# Altium PCB JlinkSwitch.PcbDoc
Units mm, origin at the board's own origin, x right, y up, seen from the top; angles counter-clockwise.
Board outline 37 x 26 mm, 4 copper layers (Top Layer, GND, PWR, Bottom Layer), stack 1.587 mm thick; 64 components, 61 nets, 304 pads, 156 vias.
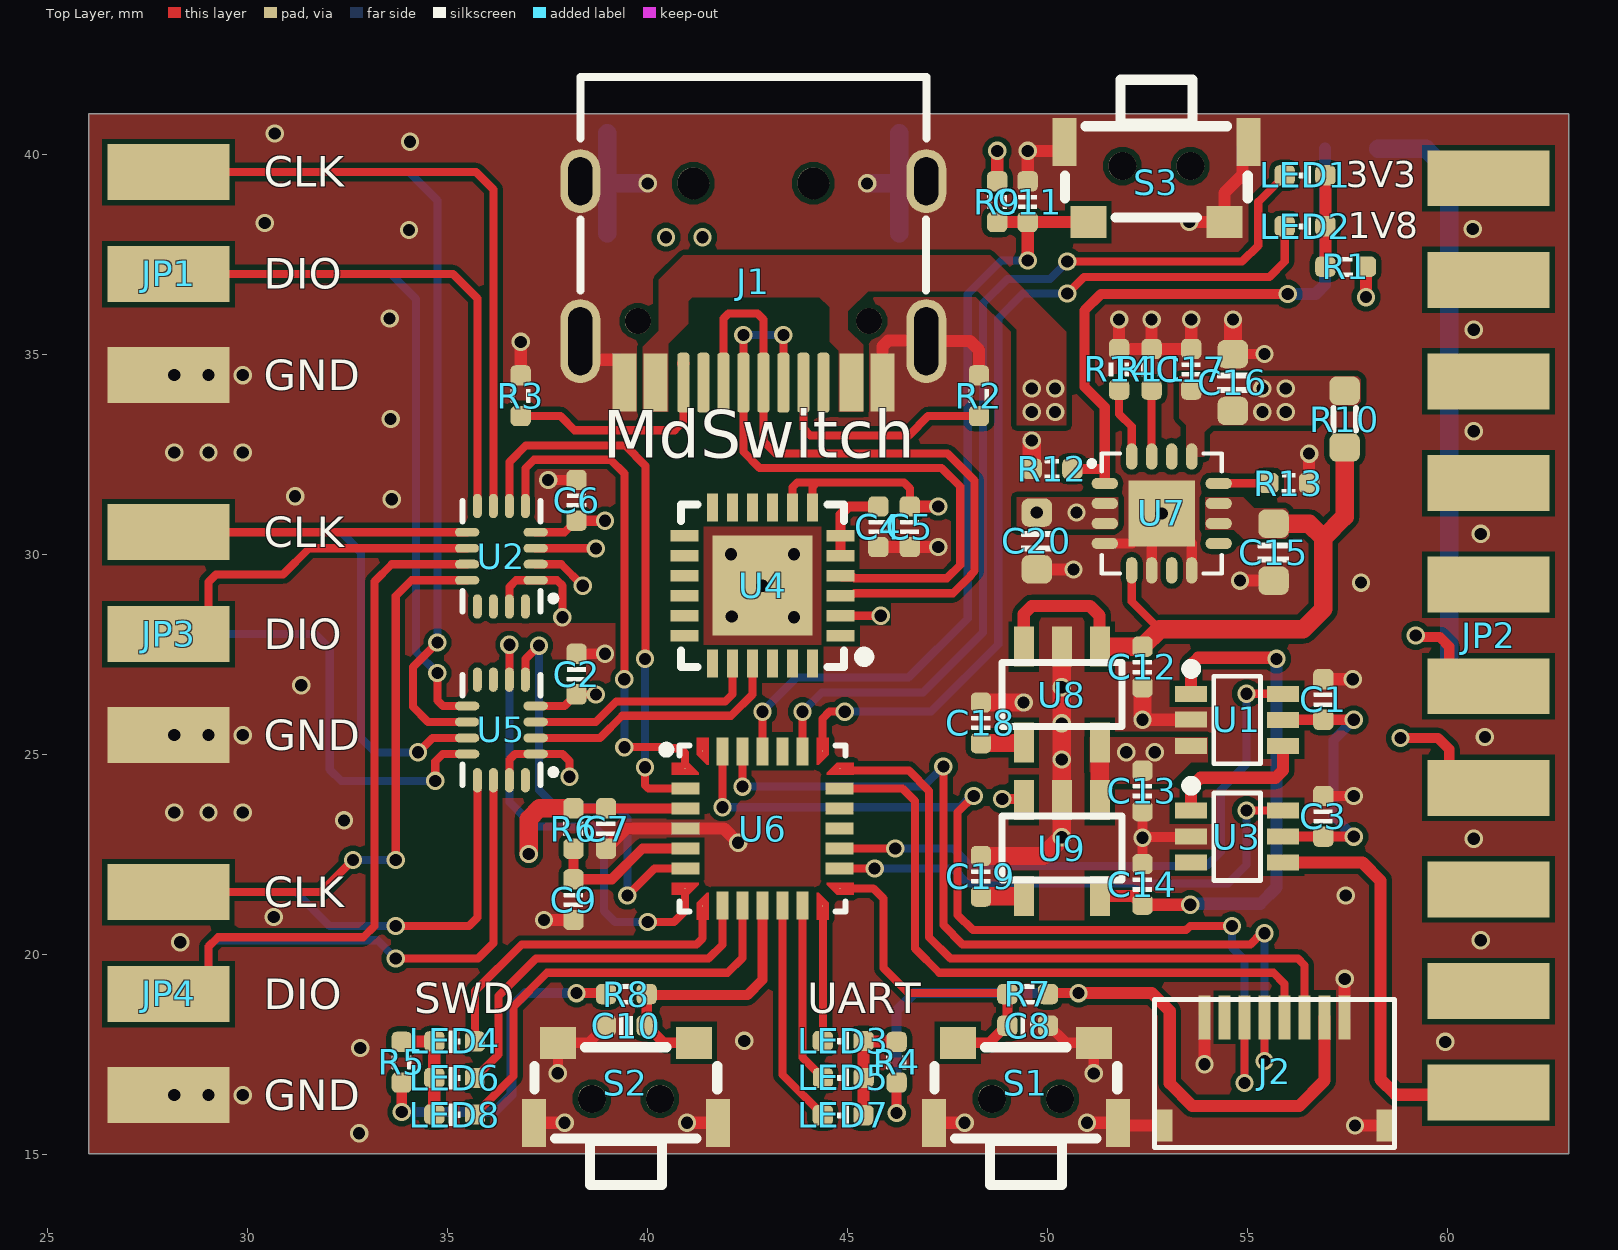
[diagram p0: Top Layer view]
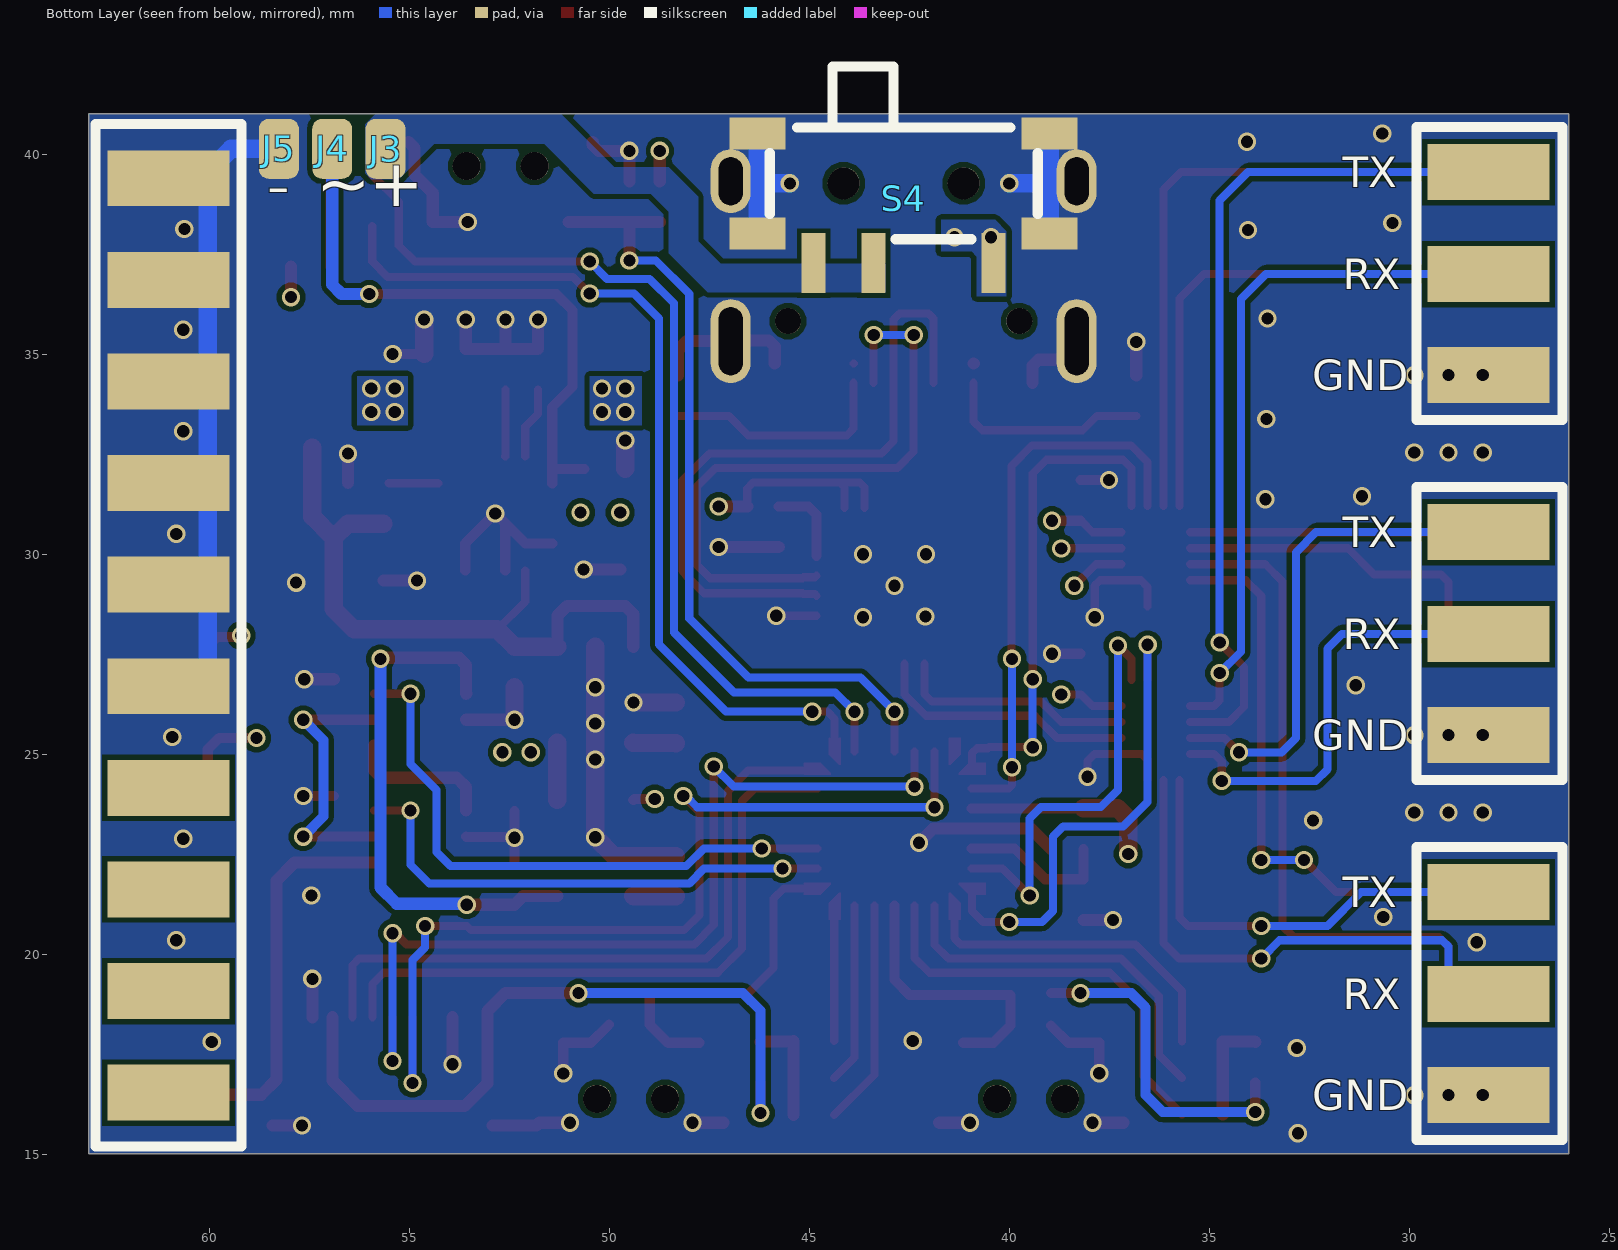
[diagram p1: Bottom Layer view, seen from below]
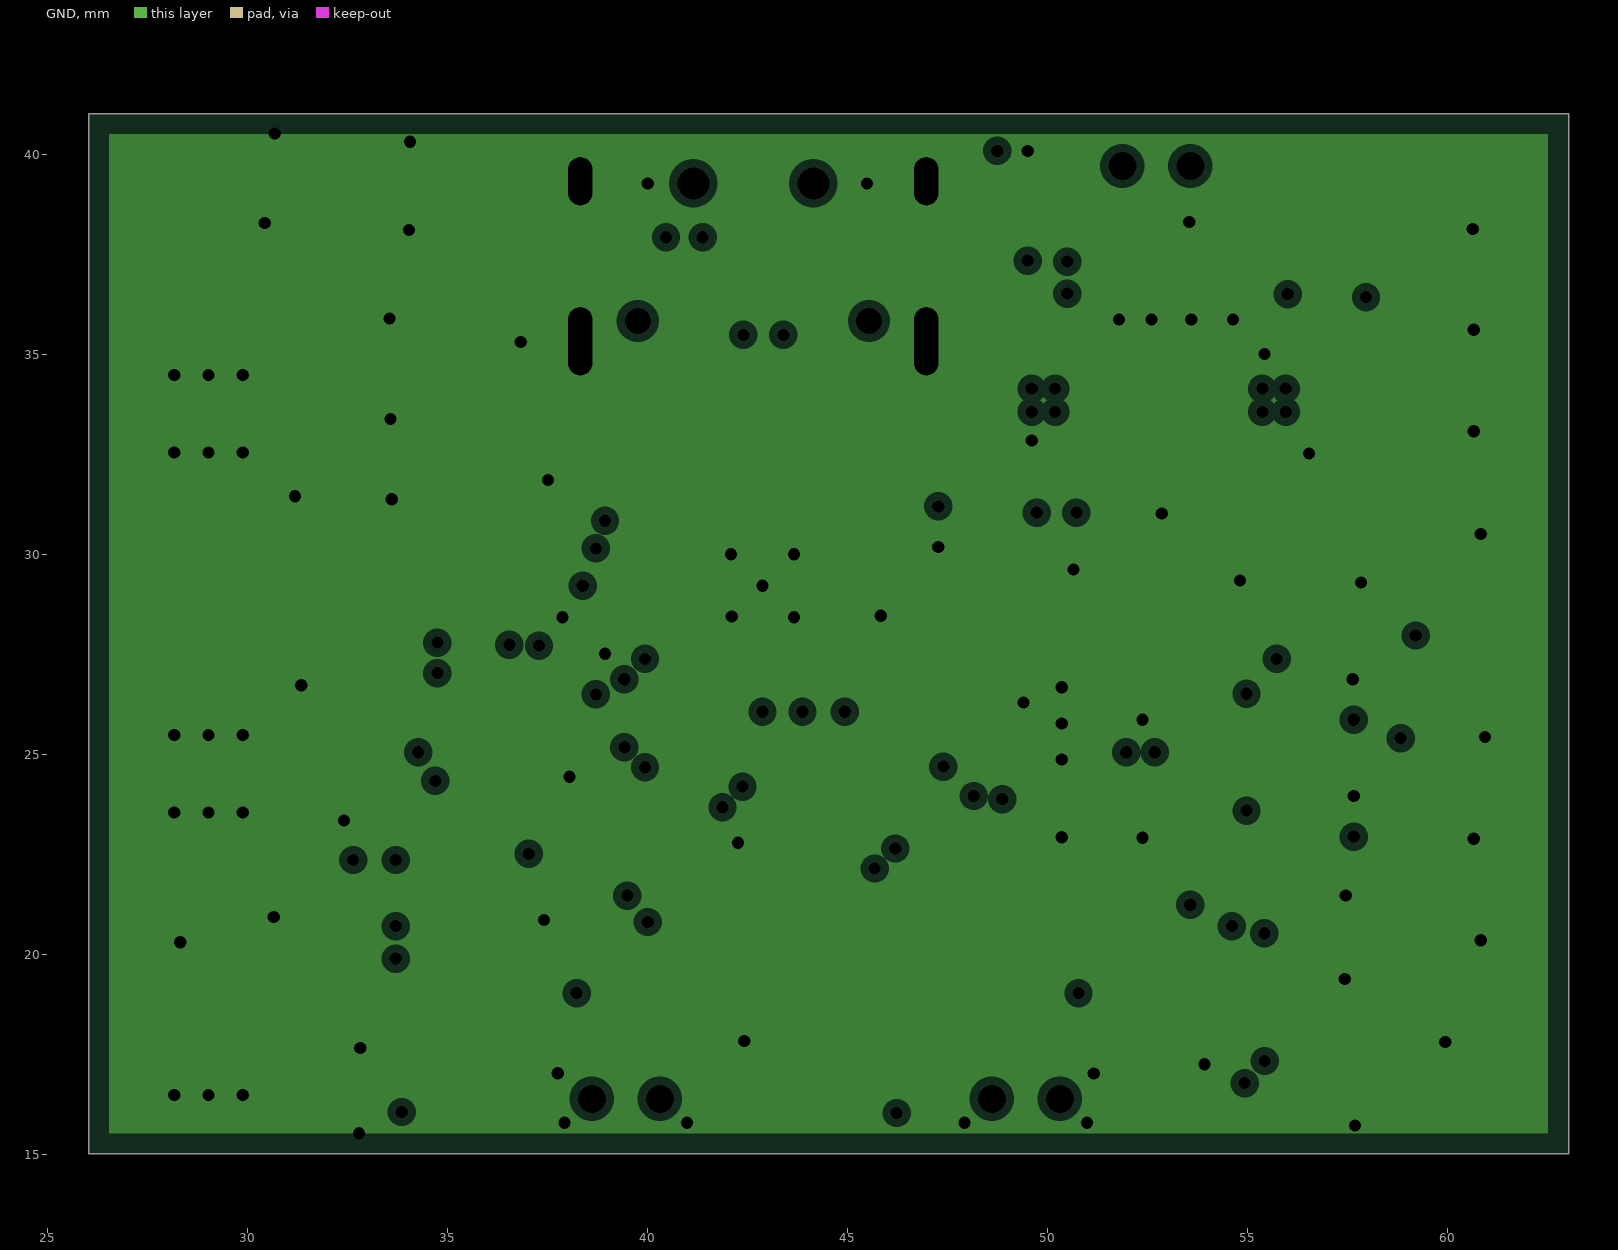
[diagram p2: GND, clearances drawn from the general rule]
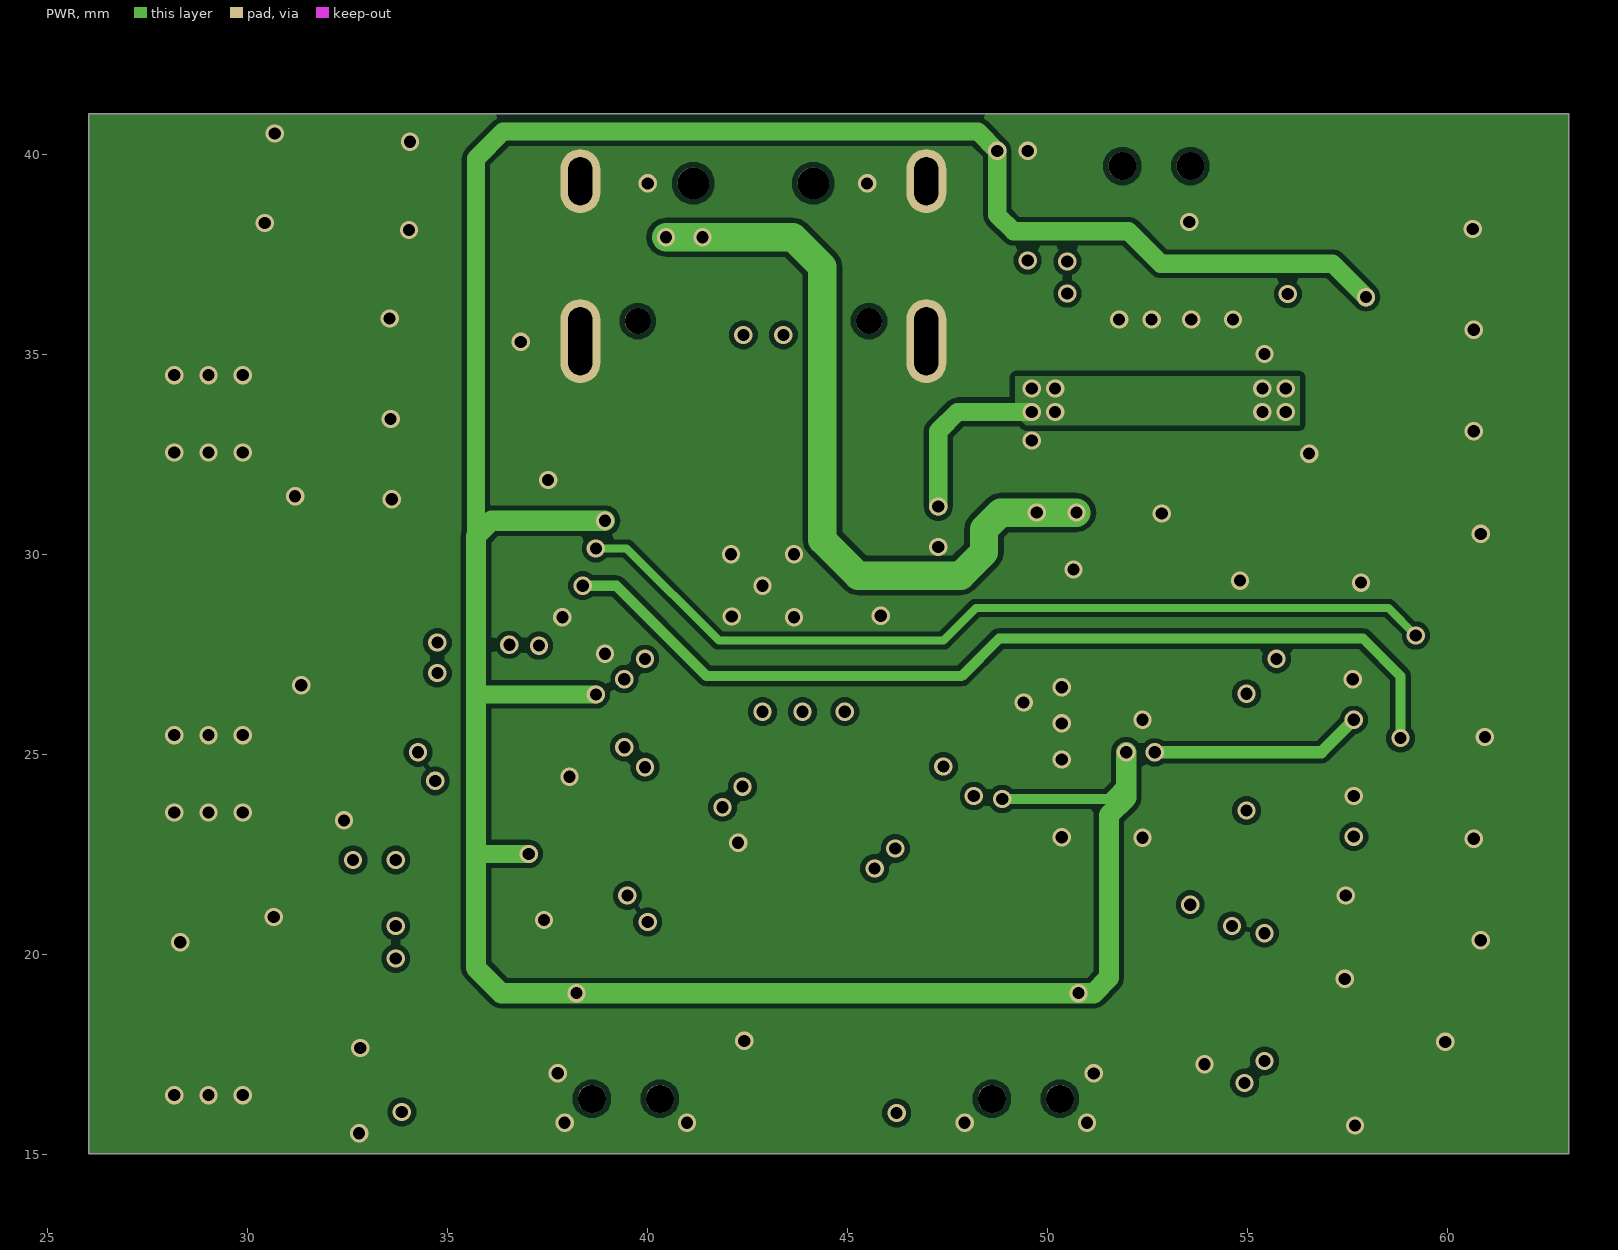
[diagram p3: PWR]

## Layer stack, top to bottom
Top Solder: solder mask 0.0102, Solder Resist, Dk 3.5
Top Layer: signal copper 0.0356
Dielectric 2: prepreg 0.2103, PP-006, Dk 4.1
GND: plane copper 0.0152, net GND
Dielectric 1: dielectric 1.065, FR-4, Dk 4.8
PWR: signal copper 0.0152
Dielectric 3: prepreg 0.2103, PP-006, Dk 4.1
Bottom Layer: signal copper 0.0356
Bottom Solder: solder mask 0.0102, Solder Resist, Dk 3.5

## Board outline
26.035,15.011 26.035,41.011 63.035,41.011 63.035,15.011

## Design rules (kind name [scope] priority, off if disabled: settings)
Clearance [All] p1: gap=0.127 ignorepadtopadclearanceinfootprint=FALSE
ComponentClearance [All] p1: gap=0.102 collisioncheckmode=3 verticalgap=0.102 showdistances=FALSE
DiffPairsRouting [All] p1: maxlimit=0.254 minlimit=0.152 mostfreqgap=0.203 toplayer_minwidth=0.152 toplayer_maxwidth=0.381 toplayer_prefwidth=0.203 midlayer2_minwidth=0.152 midlayer2_maxwidth=0.381 midlayer2_prefwidth=0.203 bottomlayer_minwidth=0.152 bottomlayer_maxwidth=0.381 bottomlayer_prefwidth=0.203 maxuncoupledlength=12.7
PlaneClearance [All] p1: clearance=0.203
PlaneConnect [All] p1: planeconnectstyle=Direct reliefexpansion=0.508 reliefentries=4 reliefconductorwidth=0.254 reliefairgap=0.254
PolygonConnect [All] p1: connectstyle=Direct reliefconductorwidth=0.254 reliefentries=4 polygonreliefangle="90 Angle" airgapwidth=0.254
RoutingVias [All] p1: holewidth=0.305 width=0.457 viastyle="Through Hole" minholewidth=0.305 minwidth=0.457 maxholewidth=0.711 maxwidth=1.27
SolderMaskExpansion [All] p1: expansion=0.102 istentingtop=FALSE
Width [All] p1: maxlimit=1.016 minlimit=0.152 preferedwidth=0.254
26 further rules are at their usual default settings.

## Classes and differential pairs
differential pair USB_D: +USB_D_P -USB_D_N

## Components (designator, comment, footprint, x,y, rotation, side; value= is the part's Value field where it differs from the comment)
C1 "104" "C 0402_L" 56.905,26.365 r270 top
C2 "104" "C 0402_L" 38.236,27 r90 top
C3 "104" "C 0402_L" 56.905,23.444 r270 top
C4 "104" "C 0402_L" 45.78,30.683 r90 top
C5 "104" "C 0402_L" 46.568,30.683 r90 top
C6 "104" "C 0402_L" 38.236,31.344 r90 top
C7 "104" "C 0402_L" 38.973,23.139 r90 top
C8 "104" "C 0402_L" 49.514,18.212 r180 top
C9 "104" "C 0402_L" 38.16,21.361 r90 top
C10 "104" "C 0402_L" 39.481,18.212 r0 top
C11 "104" "C 0402_L" 49.514,38.811 r270 top
C12 "1uF/X7R" "C 0402_L" 52.384,27.178 r270 top
C13 "1uF/X7R" "C 0402_L" 52.384,24.079 r270 top
C14 "1uF/X7R" "C 0402_L" 52.384,21.742 r90 top
C15 "10uF/6.3V" "C 0603_L" 55.661,30.048 r90 top
C16 "22uF/6.3V" "C 0603_L" 54.645,34.29 r270 top
C17 "104" "C 0402_L" 53.603,34.62 r90 top
C18 "22nF" "C 0402_L" 48.346,25.781 r90 top
C19 "22nF" "C 0402_L" 48.346,21.946 r90 top
C20 "10uF/6.3V" "C 0603_L" 49.743,30.328 r90 top
J1 "TYPEC-304S-ACP16" USBC-16P-卧插 42.656,36.805 r180 top
J2 "DEBUG-C" "FPC0.5 1H-WS-8P-NARROW" 55.686,16.967 r90 top
J3 "PAD1" PAD 55.61,40.132 r180 bottom
J4 "PAD1" PAD 56.944,40.132 r180 bottom
J5 "PAD1" PAD 58.277,40.132 r180 bottom
JP1 "Header3X2" HDR2.54-LI-2X3P-侧贴 28.035,37.011 r180 top
JP2 "Header 2X10" HDR2.54-LI-M-2X10P-侧贴 61.035,27.965 r0 top
JP3 "Header3X2" HDR2.54-LI-2X3P-侧贴 28.035,28.011 r180 top
JP4 "Header3X2" HDR2.54-LI-2X3P-侧贴 28.035,19.011 r180 top
LED1 "红色" "LED 0402R" 56.489,39.472 r180 top
LED2 "红色" "LED 0402R" 56.489,38.202 r180 top
LED3 "蓝色" "LED 0402R" 44.942,17.831 r180 top
LED4 "黄绿色" "LED 0402R" 35.148,17.815 r0 top
LED5 "蓝色" "LED 0402R" 44.945,16.906 r180 top
LED6 "黄绿色" "LED 0402R" 35.148,16.901 r0 top
LED7 "蓝色" "LED 0402R" 44.942,15.977 r180 top
LED8 "黄绿色" "LED 0402R" 35.148,15.987 r0 top
R1 "2K" "R 0402_L" 57.464,37.186 r180 top
R2 "5.1K" "R 0402_L" 48.295,33.96 r90 top
R3 "5.1K" "R 0402_L" 36.839,33.96 r90 top
R4 "4.7K" "R 0402_L" 46.237,17.297 r90 top
R5 "2K" "R 0402_L" 33.868,17.297 r90 top
R6 "10K" "R 0402_L" 38.16,23.139 r90 top
R7 "4.7K" "R 0402_L" 49.514,18.999 r180 top
R8 "4.7K" "R 0402_L" 39.481,18.999 r180 top
R9 "4.7K" "R 0402_L" 48.752,38.811 r270 top
R10 "0R" "R 0603_L" 57.439,33.376 r270 top
R11 "0R" "R 0402_L" 52.613,34.62 r90 top
R12 "20K" "R 0402_L" 50.124,32.131 r180 top
R13 "2K" "R 0402_L" 56.042,31.775 r0 top
R14 "4.7K" "R 0402_L" 51.8,34.62 r90 top
S1 "SW" "TS 2*4*3.5" 49.535,16.383 r0 top
S2 "SW" "TS 2*4*3.5" 39.535,16.383 r0 top
S3 "SW" "TS 2*4*3.5" 52.664,39.7 r180 top
S4 "SS-12F23" MSK-12C01-07 42.656,39.268 r0 bottom locked
U1 "SN74LVC1G3157" SC70-6 54.721,25.857 r0 top
U2 "WAS4735Q" QFN16-1826 36.357,29.947 r90 top
U3 "SN74LVC1G3157" SC70-6 54.721,22.936 r0 top
U4 "CH9102F" "QFN24 4x4_L" 42.885,29.21 r90 top
U5 "WAS4735Q" QFN16-1826 36.357,25.603 r90 top
U6 "STM32G031G8U6" "UFQFPN-28 4X4" 42.885,23.139 r270 top
U7 "BQ24075RGTT" VQFN-16-EP(3X3) 52.865,31.017 r0 top
U8 "RT9193-30GB" SOT23-5 51.317,27.686 r180 top
U9 "RT9193-18GB" SOT23-5 51.317,23.851 r180 top

## Footprints (in the part's own frame and the unit in brackets; to place one, negate y for a bottom-side part, rotate by r counter-clockwise, add the part's x,y. Pads: shape width x height; smd on the part's side, far side on the other; paste and mask are expansions set on the pad)
"C 0402_L" [mil] "无极性贴片电容"
  rrect50% 20x20 smd: 1(20,0) 2(-20,0)
  silkscreen extent -7,-9 7,9, body extent -20,-10 20,10, height 20
"C 0603_L" [mil] "无极性贴片电容"
  rrect50% 28x30 smd: 1(-28,0) 2(28,0)
  silkscreen extent -10,-15 10,15, body extent -31,-16 31,16, height 31
"FPC0.5 1H-WS-8P-NARROW" [mm] "前插后翻"
  rect 0.8x0.4 smd: 0(-1.25,2.75) 0(-1.25,-2.75)
  rect 1.1x0.3 smd: 1(1.453,1.75) 2(1.453,1.25) 3(1.453,0.75) 4(1.453,0.25) 5(1.453,-0.25) 6(1.453,-0.75) 7(1.453,-1.25) 8(1.453,-1.75)
  silkscreen extent -1.8,-3 1.9,3, body extent -1.9,-2.85 1.7,2.85, height 1.88
HDR2.54-LI-2X3P-侧贴 [mil]
  rect 120x55 smd: 1(0,99.9) 3(0,0.49) 5(0,-99.9)
  rect 120x55 smd far side: 2(0,99.9) 4(0,0.49) 6(0,-99.9)
  body extent -47,-150 406,149, height 54
HDR2.54-LI-M-2X10P-侧贴 [mil]
  rect 120x55 smd: 1(0,450) 3(0,350) 5(0,250) 7(0,150) 9(0,50) 11(0,-50) 13(0,-150) 15(0,-250) 17(0,-350) 19(0,-450)
  rect 120x55 smd far side: 2(0,450) 4(0,350) 6(0,250) 8(0,150) 10(0,50) 12(0,-50) 14(0,-150) 16(0,-250) 18(0,-350) 20(0,-450)
  body extent -48,-508 358,508, height 56
"LED 0402R" [mil]
  rrect50% 20x20 smd: 1(21.61,0.11) 2(-18.39,0.11)
  silkscreen extent -4,-10 7,11, body extent -18,-10 21,10, height 18
MSK-12C01-07 [mm] "6.7*2.8*1.5mm(长宽高）"
  rect 1.4x0.8 smd: 0(-3.65,-1.25) 0(-3.65,1.25) 0(3.65,-1.25) 0(3.65,1.25)
  rect 0.6x1.5 smd: 1(-2.25,1.996) 2(0.75,1.996) 3(2.25,1.996)
  round 0.8 hole 0.8: " "(-1.5,0) " "(1.5,0)
  silkscreen extent -3.35,-2.92 3.35,1.4, body extent -3.92,-2.9 3.92,2.4, height 1.5